# Altium PCB lxdeight.PcbDoc
Units mil, origin at the board's own origin, x right, y up, seen from the top; angles counter-clockwise.
Board outline 3070.87 x 2854.33 mil, 2 copper layers (Top Layer, Bottom Layer); 13 components, 20 nets, 73 pads, 0 vias.
Unrouted connection lines stored in the file: 2.
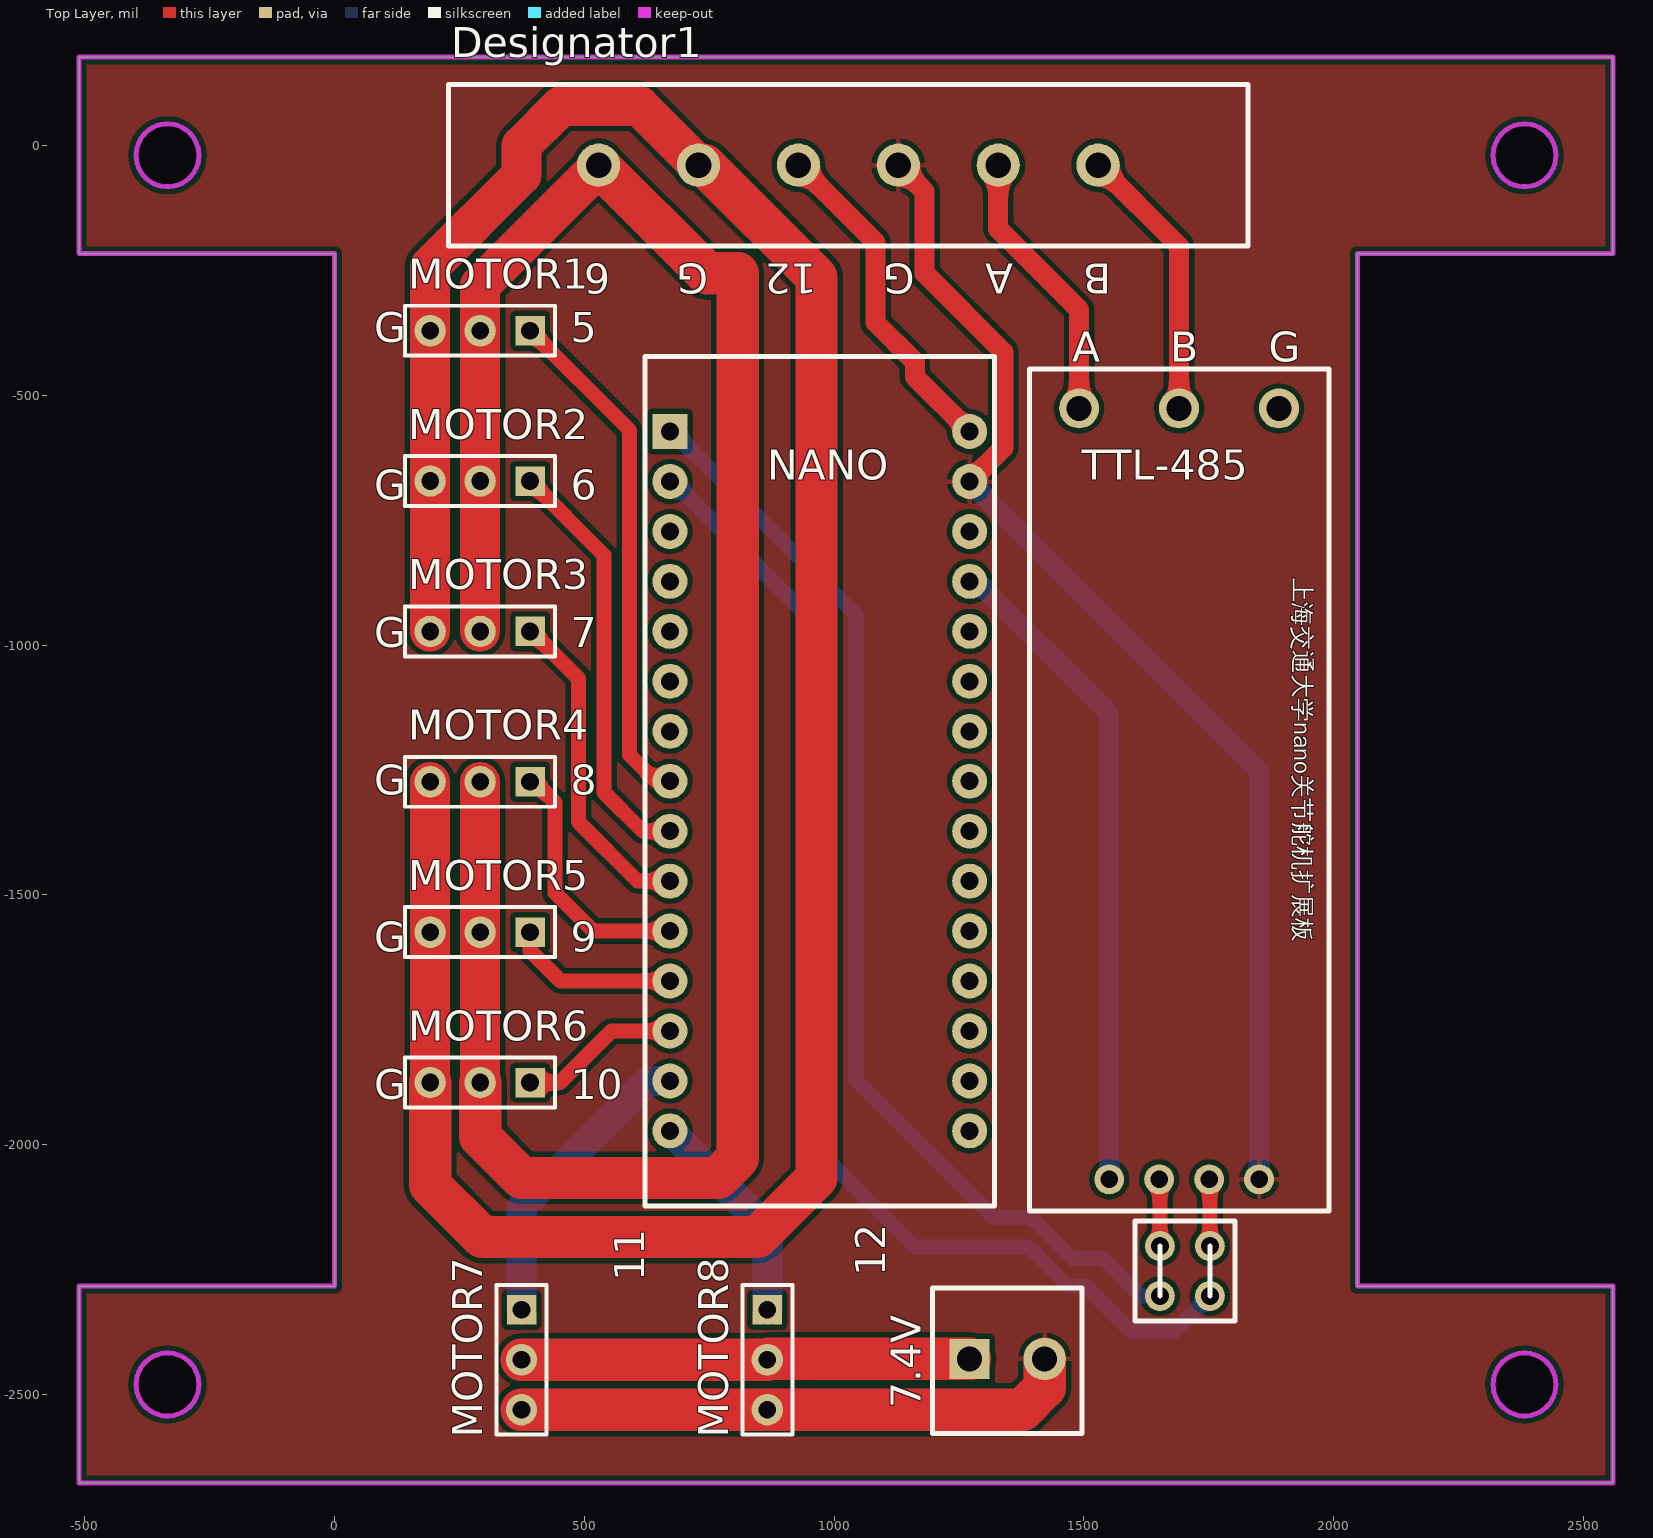
[diagram p0: Top Layer view]
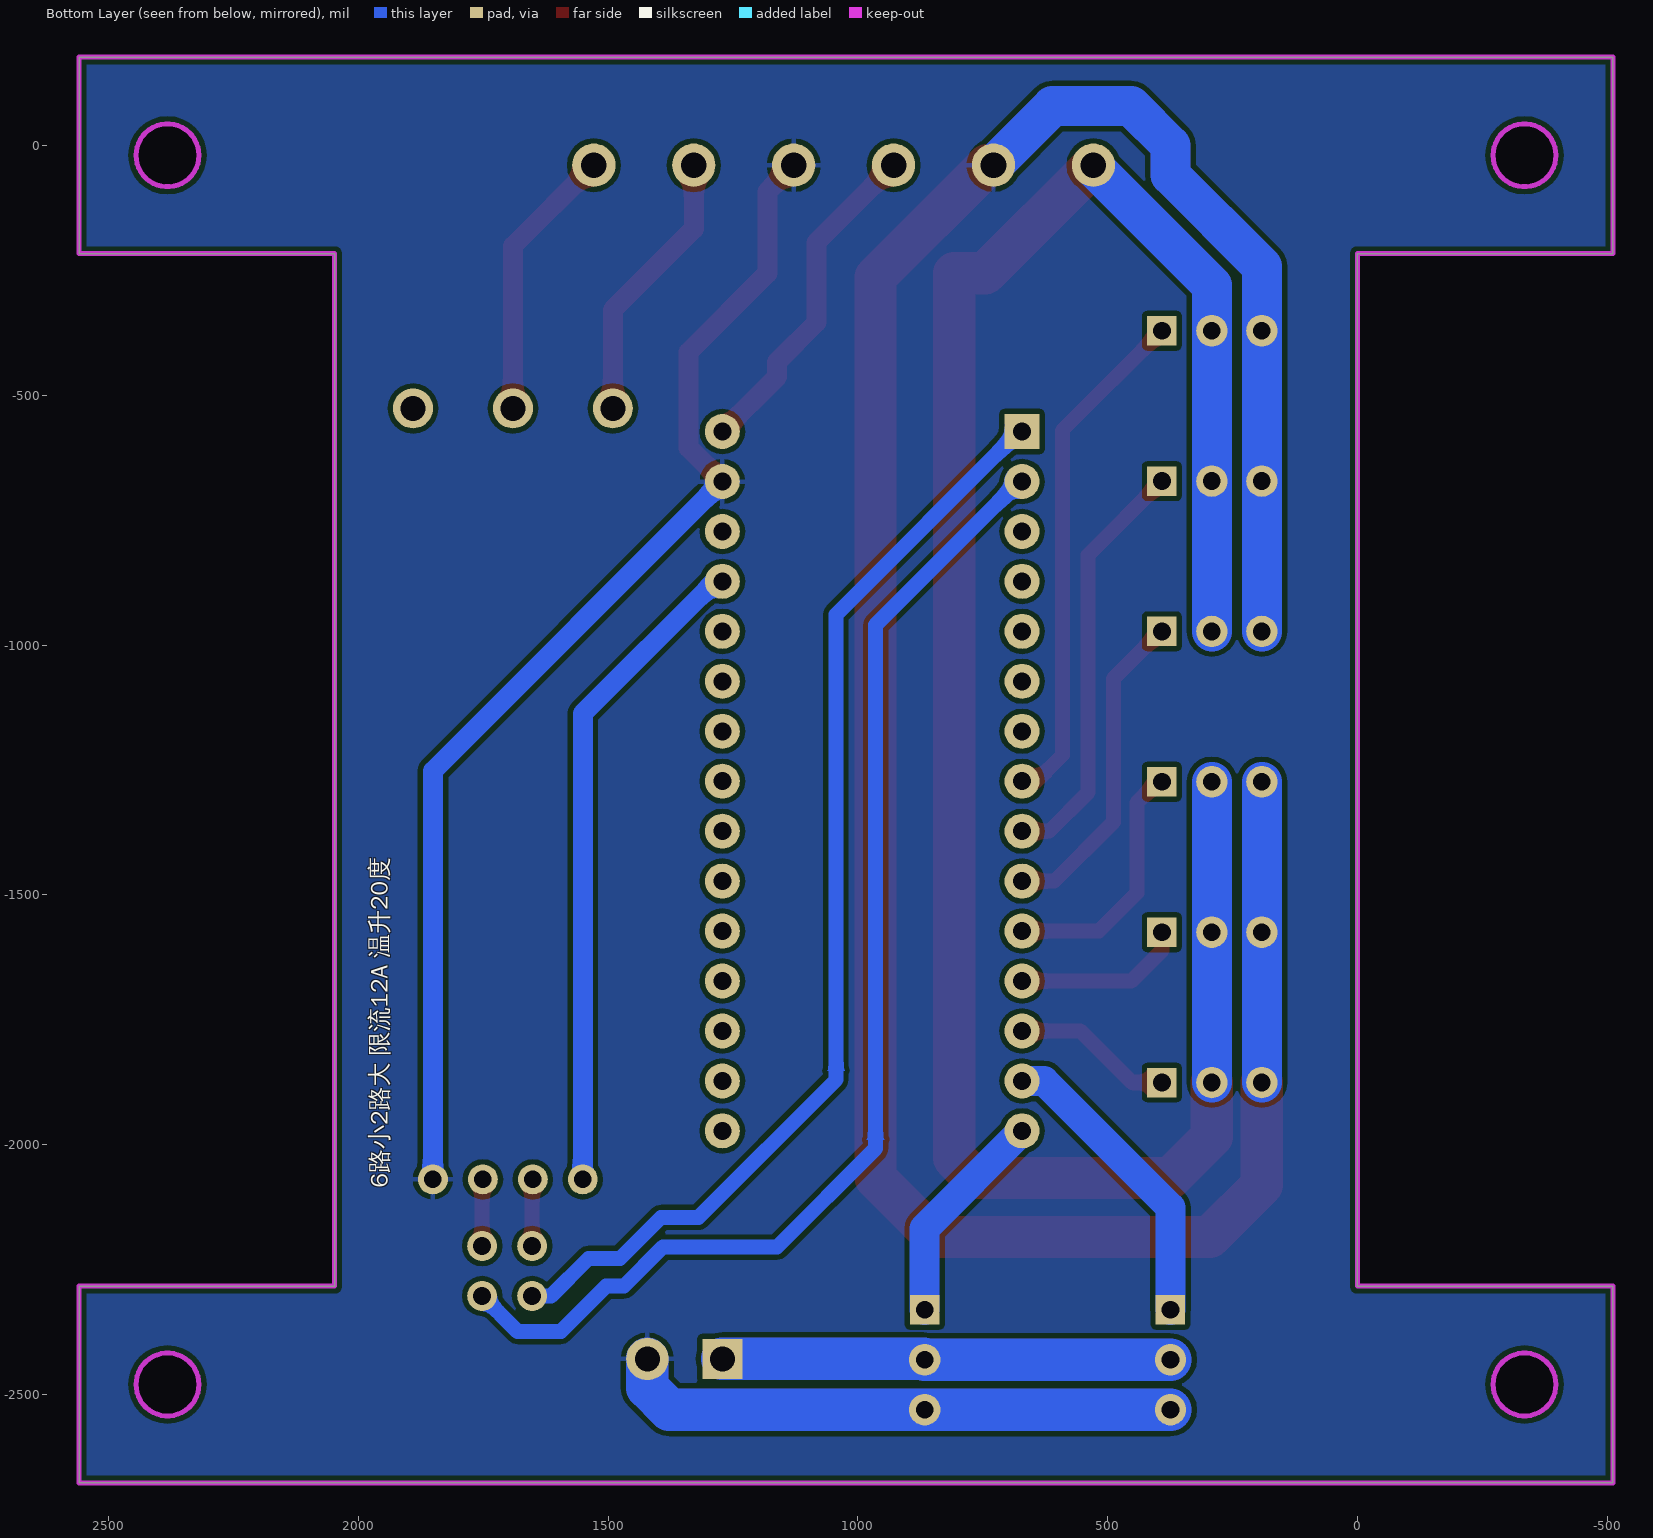
[diagram p1: Bottom Layer view, seen from below]

## Layer stack, top to bottom
Top Solder: solder mask 0.4, Solder Resist, Dk 3.5
Top Layer: signal copper 1.4
Dielectric 1: dielectric 12.6, FR-4, Dk 4.8
Bottom Layer: signal copper 1.4
Bottom Solder: solder mask 0.4, Solder Resist, Dk 3.5

## Board outline
-511.81,-2677.17 2559.06,-2677.17 2559.06,-2283.46 2047.24,-2283.46 2047.24,-216.54 2559.06,-216.54 2559.06,177.17 -511.81,177.17 -511.81,-216.54 0,-216.54 0,-2283.46 -511.81,-2283.46
cut-out: 2318.9,-19.68 ccw(c2381.89,-19.68) 2381.89,-82.68 ccw(c2381.89,-19.68) 2444.88,-19.68 ccw(c2381.89,-19.68) 2381.89,43.31 ccw(c2381.89,-19.68)
cut-out: -334.65,-82.68 cw(c-334.65,-19.68) -397.64,-19.68 cw(c-334.65,-19.68) -334.65,43.31 cw(c-334.65,-19.68) -271.65,-19.68 cw(c-334.65,-19.68)
cut-out: 2318.9,-2480.32 ccw(c2381.89,-2480.32) 2381.89,-2543.31 ccw(c2381.89,-2480.32) 2444.88,-2480.32 ccw(c2381.89,-2480.32) 2381.89,-2417.32 ccw(c2381.89,-2480.32)
cut-out: -397.64,-2480.32 ccw(c-334.65,-2480.32) -334.65,-2543.31 ccw(c-334.65,-2480.32) -271.65,-2480.32 ccw(c-334.65,-2480.32) -334.65,-2417.32 ccw(c-334.65,-2480.32)

## Design rules (kind name [scope] priority, off if disabled: settings)
Clearance [All] p1: gap=10 ignorepadtopadclearanceinfootprint=FALSE except(0: Arc-Hole Track-Hole SMDPad-Hole THPad-Hole Via-Hole Fill-Hole Poly-Hole Region-Hole Text-Hole)
PolygonConnect [All] p1: connectstyle=Relief reliefconductorwidth=10 reliefentries=4 polygonreliefangle="90 Angle" airgapwidth=10
RoutingVias [All] p1: holewidth=28 width=50 viastyle="Through Hole" minholewidth=28 minwidth=50 maxholewidth=28 maxwidth=50
SilkToSilkClearance [All] p1 off: silktosilkclearance=10
SilkToSolderMaskClearance [IsPad] p1 off: minsilkscreentomaskgap=10 clearancetoexposedcopper=TRUE
SolderMaskExpansion [All] p1: expansion=4
Width [All] p1: maxlimit=100 minlimit=10 preferedwidth=10
28 further rules are at their usual default settings.

## Classes and differential pairs
component class Sheet1: MOTOR1 MOTOR2 MOTOR3 MOTOR4 MOTOR5 MOTOR6

## Components (designator, comment, footprint, x,y, rotation, side; value= is the part's Value field where it differs from the comment)
7.4V "VCC" "HEADER 1X2a" 1271.26,-2429.13 r0 top (schematic designator VCC6V)
Designator1 "Comment" "5.08 6p with ear" 528.35,-39.37 r0 top
MOTOR1 "" HDR1X3 391.14,-370.79 r180 top
MOTOR2 "" HDR1X3 391.14,-671.79 r180 top
MOTOR3 "" HDR1X3 391.14,-972.79 r180 top
MOTOR4 "" HDR1X3 391.14,-1273.79 r180 top
MOTOR5 "" HDR1X3 391.14,-1574.79 r180 top
MOTOR6 "" HDR1X3 391.14,-1875.79 r180 top
MOTOR7 "" HDR1X3 374.02,-2330.71 r270 top (schematic designator MOTOR6)
MOTOR8 "" HDR1X3 866.14,-2330.71 r270 top (schematic designator MOTOR6)
U1 "Nano" NANO 671.14,-572.64 r0 top
U2 "TTL-485" ttl-485 1391.14,-2132.64 r90 top
? "Comment" "4p jump" 1651.97,-2303.15 r90 top

## Footprints (in the part's own frame and the unit in brackets; to place one, negate y for a bottom-side part, rotate by r counter-clockwise, add the part's x,y. Pads: shape width x height; smd on the part's side, far side on the other; paste and mask are expansions set on the pad)
"4p jump" [mil]
  round 60 hole 36: 1(0,0) 2(0,-100) 3(100,0) 4(100,-100)
  silkscreen extent -50,-150 150,50
"5.08 6p with ear" [mm]
  round 2.2 hole 1.3: 1(0,0) 2(5.08,0) 3(10.16,0) 4(15.24,0) 5(20.32,0) 6(25.4,0)
  silkscreen extent -7.62,-4.1 33.02,4.1
HDR1X3 [mm] "Connector; Header; 3 Position"
  rect 1.5x1.5 hole 0.9: 1(0,0)
  round 1.6 hole 0.9: 2(2.54,0) 3(5.08,0)
  silkscreen extent -1.27,-1.27 6.35,1.27
"HEADER 1X2a" [mil]
  rect 80x80 hole 50: 1(0,0)
  round 85 hole 50: 2(150,0)
  silkscreen extent -75,-150 225,142
NANO [mil]
  rect 70x70 hole 36: 1(0,0)
  round 70 hole 36: 2(0,-100) 3(0,-200) 4(0,-300) 5(0,-400) 6(0,-500) 7(0,-600) 8(0,-700) 9(0,-800) 10(0,-900) 11(0,-1000) 12(0,-1100) 13(0,-1200) 14(0,-1300) 15(0,-1400) 16(600,-1400) 17(600,-1300) 18(600,-1200) 19(600,-1100) 20(600,-1000) 21(600,-900) 22(600,-800) 23(600,-700) 24(600,-600) 25(600,-500) 26(600,-400) 27(600,-300) 28(600,-200) 29(600,-100)
  round 70 hole 36 mask+4: 30(600,0)
  silkscreen extent -50,-1550 650,150
ttl-485 [mil]
  round 80 hole 50: 1(1606.3,-99.21) 2(1606.3,-299.21) 3(1606.3,-499.21)
  round 60 hole 35: 4(62.99,-159.45) 5(62.99,-259.45) 6(62.99,-359.45) 7(62.99,-459.45)
  silkscreen extent 0,-599 1685,0

## Part data
7.4V: library part "Header 2", "Header, 2-Pin"
MOTOR1 MOTOR2 MOTOR3 MOTOR4 MOTOR5 MOTOR6 MOTOR7 MOTOR8: library part "Header 3", "Header, 3-Pin"

## Nets (pads, with @x,y where several pads share a name; then routed paths per layer and width w, separated by ;. In a path a pad name is that pad's centre, name@x,y a point inside that pad or via, vN(x,y) a via of type N, cw(c..) or ccw(c..) an arc to the next point about the centre after c; other vN are vias at no path point)
5V: U1.27 U2.4 | length 1321.5
  Bottom Layer w30: U1.27 U1.27@1286.02,-872.64
  Bottom Layer w40: U1.27@1286.02,-872.64 1550.59,-1137.2 U2.4
BM1: MOTOR7.1 U1.14 | length 606.8
  Bottom Layer w60: MOTOR7.1 374.02,-2125.98 627.36,-1872.64 U1.14
BM2: MOTOR8.1 U1.15 | length 438.8
  Bottom Layer w60: U1.15 866.14,-2167.64 MOTOR8.1
GND: 7.4V.2 Designator1.2 Designator1.4 MOTOR1.3 MOTOR2.3 MOTOR3.3 MOTOR4.3 MOTOR5.3 MOTOR6.3 MOTOR7.3 MOTOR8.3 U1.29 U2.7 | length 12007.3
  Top Layer w40: Designator1.4 1181.1,-92.13 1181.1,-255.91 1338.58,-413.39 1338.58,-605.2 U1.29
  Top Layer w80: MOTOR6.3 MOTOR5.3 MOTOR4.3 ; MOTOR3.3 MOTOR2.3 MOTOR1.3 191.14,-241.93 374.02,-59.06 374.02,0 452.76,78.74 610.24,78.74 Designator1.2
  Top Layer w85: MOTOR6.3 191.14,-2080.91 295.28,-2185.04 846.46,-2185.04 964.57,-2066.93 964.57,-263.38 740.55,-39.37 Designator1.2 ; MOTOR7.3 MOTOR8.3 1377.17,-2530.71 1421.26,-2486.61 7.4V.2
  Bottom Layer w40: U1.29 1850.59,-1252.09 U2.7
  Bottom Layer w80: MOTOR6.3 MOTOR5.3 MOTOR4.3 ; MOTOR3.3 MOTOR2.3 MOTOR1.3 191.14,-241.93 374.02,-59.06 374.02,0 452.76,78.74 610.24,78.74 Designator1.2
  Bottom Layer w85: MOTOR7.3 MOTOR8.3 1377.17,-2530.71 1421.26,-2486.61 7.4V.2
M5: MOTOR1.1 U1.8 | length 1034.5
  Top Layer w30: MOTOR1.1 590.55,-570.2 590.55,-1220.47 642.72,-1272.64 U1.8
M6: MOTOR2.1 U1.9 | length 848.7
  Top Layer w30: MOTOR2.1 539.37,-820.02 539.37,-1295.28 616.73,-1372.64 U1.9
M7: MOTOR3.1 U1.10 | length 655.4
  Top Layer w30: MOTOR3.1 394.05,-972.79 488.19,-1066.93 488.19,-1354.33 606.5,-1472.64 U1.10
M8: MOTOR4.1 U1.11 | length 509.9
  Top Layer w30: MOTOR4.1 399.77,-1273.79 440.94,-1314.96 440.94,-1496.06 517.52,-1572.64 U1.11
M9: MOTOR5.1 U1.12 | length 342.1
  Top Layer w30: MOTOR5.1 391.14,-1611.61 452.17,-1672.64 U1.12
M10: MOTOR6.1 U1.13 | length 322.7
  Top Layer w30: MOTOR6.1 450.98,-1875.79 554.13,-1772.64 U1.13
M11: 
NetJUMP1_1: 
NetJUMP2_2: Designator1.3 U1.30 | length 675.3
  Top Layer w40: Designator1.3 1082.68,-193.7 1082.68,-354.33 1161.42,-433.07 1161.42,-462.91 U1.30
NetP1_1: Designator1.5 U2.1 | length 554.1
  Top Layer w40: Designator1.5 1328.35,-166.93 1490.35,-328.94 U2.1
NetP1_2: Designator1.6 U2.2 | length 554.1
  Top Layer w40: Designator1.6 1690.35,-201.38 U2.2
NetP1_3: U2.3
RX: ?.2 ?.4 U1.2 U2.6 | length 2562.8
  Top Layer w30: U2.6 1751.97,-2071.02 ?.4
  Bottom Layer w30: U1.2@677.21,-672.64 964.57,-960 964.57,-2007.87 1161.42,-2204.72 1389.76,-2204.72 1468.5,-2283.46 1503.94,-2283.46 1594.49,-2374.02 1681.1,-2374.02 ?.2
  Bottom Layer w60: U1.2 U1.2@677.21,-672.64
TX: ?.1 ?.3 U1.1 U2.5 | length 2377.3
  Top Layer w30: U2.5 1651.97,-2071.02 ?.3
  Bottom Layer w30: U1.1@677.21,-572.64 1043.31,-938.74 1043.31,-1870.08 1318.9,-2145.67 1393.7,-2145.67 1476.38,-2228.35 1539.37,-2228.35 1614.17,-2303.15 ?.1
  Bottom Layer w60: U1.1 U1.1@677.21,-572.64
VIN: Designator1.1 MOTOR1.2 MOTOR2.2 MOTOR3.2 MOTOR4.2 MOTOR5.2 MOTOR6.2 | length 6082.3
  Top Layer w80: MOTOR6.2 MOTOR5.2 MOTOR4.2 ; MOTOR3.2 MOTOR2.2 MOTOR1.2 291.14,-279.72 528.35,-42.52 Designator1.1
  Top Layer w85: MOTOR6.2 291.14,-1984.06 374.02,-2066.93 767.72,-2066.93 807.09,-2027.56 807.09,-255.9 744.88,-255.9 Designator1.1
  Bottom Layer w80: MOTOR6.2 MOTOR5.2 MOTOR4.2 ; MOTOR3.2 MOTOR2.2 MOTOR1.2 291.14,-279.72 528.35,-42.52 Designator1.1
VIN7: 7.4V.1 MOTOR7.2 MOTOR8.2 | length 1795.8
  Top Layer w85: MOTOR7.2 MOTOR8.2 867.72,-2429.13 7.4V.1
  Bottom Layer w85: MOTOR7.2 MOTOR8.2 867.72,-2429.13 7.4V.1
pads on no net: U1.3 U1.4 U1.5 U1.6 U1.7 U1.16 U1.17 U1.18 U1.19 U1.20 U1.21 U1.22 U1.23 U1.24 U1.25 U1.26 U1.28

## Polygon pours and split planes (outlines as drawn)
GND on Bottom Layer "GND-2" (solid, pour order 14): -511.81,177.17 -511.81,-216.54 0,-216.54 0,-2283.46 -511.81,-2283.46 -511.81,-2669.29 2551.18,-2669.29 2559.06,-2677.17 2559.06,-2283.46 2047.24,-2283.46 2047.24,-216.54 2559.06,-216.54 2559.06,177.17
GND on Top Layer "GND-2" (solid, pour order 16): -511.81,177.17 -511.81,-216.54 0,-216.54 -7.87,-224.41 -7.87,-2283.46 -511.81,-2283.46 -511.81,-2677.17 2559.06,-2677.17 2559.06,-2283.46 2047.24,-2283.46 2047.24,-216.54 2559.06,-216.54 2559.06,177.17

## Keep-outs
Keep-Out Layer:
  circle w10: c2381.89,-19.68 r62.99
  circle w10: c2381.89,-2480.32 r62.99
  circle w10: c-334.65,-19.68 r62.99
  circle w10: c-334.65,-2480.32 r62.99
  lines w10: -511.81,-2677.17 0,-2677.17 2047.24,-2677.17 2559.06,-2677.17 2559.06,-2283.46 2047.24,-2283.46 2047.24,-216.54 2559.06,-216.54 2559.06,177.17 2047.24,177.17 0,177.17 -511.81,177.17 -511.81,-216.54 0,-216.54 0,-2283.46 -511.81,-2283.46 -511.81,-2677.17

## Silkscreen, mask and mechanical layers (free items; w line width, h text height)
Top Overlay:
  lines w10: 1651.97,-2303.15 1651.97,-2203.15 ; 1751.97,-2303.15 1751.97,-2203.15
  text "6" at 551.18,-236.22 h60 r180
  text "G" at 748.03,-236.22 h60 r180
  text "12" at 964.57,-236.22 h60 r180
  text "G" at 1161.42,-236.22 h60 r180
  text "A" at 1358.27,-236.22 h60 r180
  text "B" at 1555.12,-236.22 h60 r180
  text "G" at 78.74,-393.7 h60
  text "5" at 472.44,-393.7 h60
  text "A" at 1476.38,-433.07 h60
  text "B" at 1673.23,-433.07 h60
  text "G" at 1870.08,-433.07 h60
  text "NANO" at 866.14,-669.29 h60
  text "TTL-485" at 1496.06,-669.29 h60
  text "G" at 78.74,-708.66 h60
  text "6" at 472.44,-708.66 h60
  text "上海交通大学nano关节舵机扩展板" at 1909.45,-866.14 h60 r270
  text "G" at 78.74,-1003.94 h60
  text "7" at 472.44,-1003.94 h60
  text "G" at 78.74,-1299.21 h60
  text "8" at 472.44,-1299.21 h60
  text "G" at 78.74,-1614.17 h60
  text "9" at 472.44,-1614.17 h60
  text "G" at 78.74,-1909.45 h60
  text "10" at 472.44,-1909.45 h60
  text "12" at 1102.36,-2263.78 h60 r90
  text "11" at 620.24,-2273.78 h60 r90
Bottom Overlay:
  text "6路小2路大 限流12A 温升20度" at 1929.13,-2086.61 h60 r270
Bottom Solder:
  lines w65: 866.14,-2530.71 1377.17,-2530.71 1421.26,-2486.61 1421.26,-2429.13 ; 867.72,-2429.13 1271.26,-2429.13
  lines w70: 374.02,-2530.71 866.14,-2530.71 ; 374.02,-2432.28 866.14,-2432.28